# Altium PCB PCB2.PcbDoc (part 3 of 3) (continued)
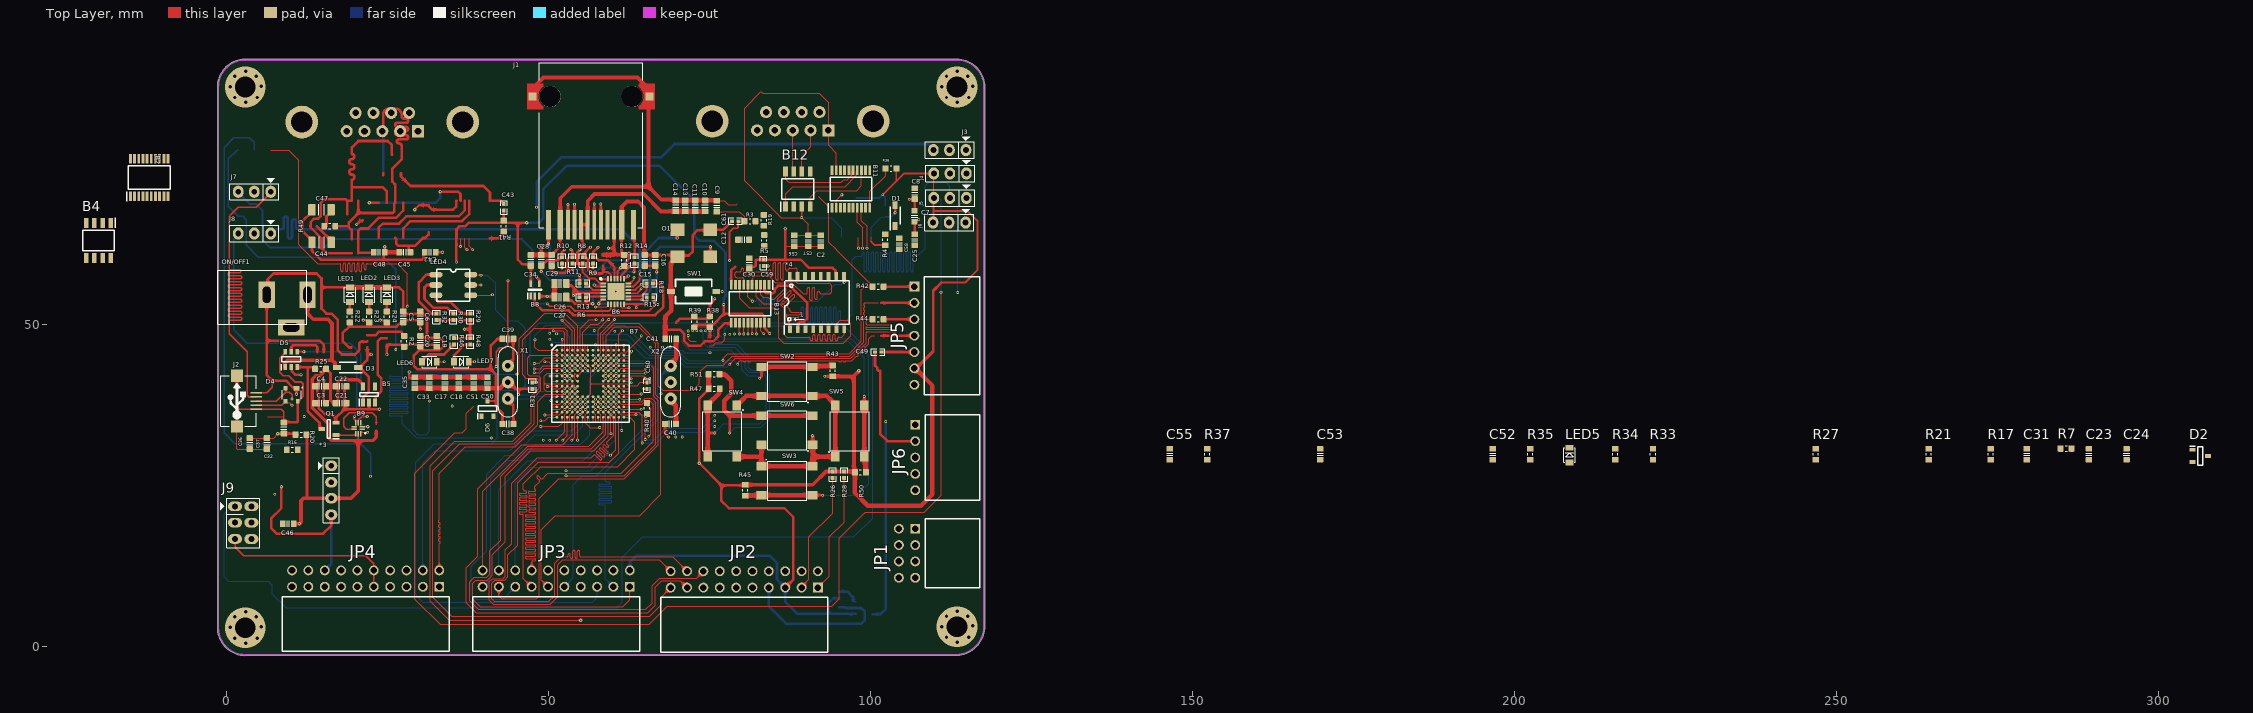
[diagram p0: Top Layer view]
## Nets (pads, with @x,y where several pads share a name; then routed paths per layer and width w, separated by ;. In a path a pad name is that pad's centre, name@x,y a point inside that pad or via, vN(x,y) a via of type N, cw(c..) or ccw(c..) an arc to the next point about the centre after c; other vN are vias at no path point) (continued)
copper on no net: | length 2234
  Top Layer w0.12: 6.94,77.171 9.734,77.171 11.322,75.584 11.322,62.421 14.225,59.518 17.227,59.518 17.647,59.518 cw(c17.647,59.338) 17.827,59.338 17.827,58.48 ccw(c18.007,58.48) 18.187,58.48 18.187,59.421 cw(c18.367,59.421) 18.547,59.421 18.547,58.48 ccw(c18.727,58.48) 18.907,58.48 18.907,59.421 cw(c19.087,59.421) 19.267,59.421 19.267,58.48 ccw(c19.447,58.48) 19.627,58.48 19.627,59.421 cw(c19.807,59.421) 19.987,59.421 19.987,58.48 ccw(c20.167,58.48) 20.347,58.48 20.347,59.421 cw(c20.527,59.421) 20.707,59.421 20.707,58.48 ccw(c20.887,58.48) 21.067,58.48 21.067,59.421 cw(c21.247,59.421) 21.427,59.421 21.427,58.778 ccw(c21.607,58.778) 21.787,58.778 21.787,59.338 cw(c21.967,59.338) 21.967,59.518 24.593,59.518 26.625,59.518 28.149,57.994 v1(28.149,52.914) ; v1(36.404,62.185) 36.404,63.412 36.43,63.438 ; 37.08,63.438 37.072,63.43 37.072,62.025 v1(37.42,61.677) ; 37.73,63.438 37.73,62.256 v1(38.309,61.677) ; 37.994,54.616 38.032,54.654 41.319,54.654 v1(41.357,54.692) ; 37.994,56.216 v1(39.579,56.216) ; 37.994,57.816 38.032,57.778 39.541,57.778 v1(39.579,57.74) ; 39.833,11.893 39.833,24.212 46.818,31.197 56.343,31.197 58.578,33.432 58.578,35.681 ; v1(47.874,43.172) 48.76,43.172 49.231,43.643 51.34,43.643 51.378,43.681 ; v1(47.961,47.707) 47.961,46.564 48.469,46.056 51.353,46.056 51.378,46.081 ; v1(48.85,35.134) 49.453,35.134 50,35.681 51.378,35.681 ; v1(49.485,44.278) 50.12,44.278 50.317,44.081 51.778,44.081 52.178,43.681 ; v1(50.449,38.258) 50.459,38.268 50.459,38.648 50.692,38.881 51.378,38.881 ; 50.538,36.481 51.378,36.481 ; 50.538,36.881 51.778,36.881 52.178,37.281 ; 50.538,37.281 51.378,37.281 ; 50.538,37.681 51.778,37.681 52.178,38.081 ; 50.538,40.081 51.778,40.081 52.178,40.481 ; 50.538,41.281 51.378,41.281 ; 50.538,44.481 51.378,44.481 ; 50.538,45.681 51.778,45.681 52.178,45.281 ; 51.37,42.889 51.378,42.881 ; v1(52.578,38.481) 52.978,38.881 ; v1(52.578,40.081) 52.978,40.481 ; v1(52.578,42.481) 52.978,42.081 ; v1(52.578,43.281) 52.978,42.881 ; v1(52.578,44.081) 52.978,43.681 ; v1(52.578,44.881) 52.978,44.481 ; v1(52.797,26.576) 52.846,26.625 61.804,26.625 66.697,31.518 66.697,37.988 66.029,38.656 65.114,38.656 64.539,38.081 61.778,38.081 ; 53.378,34.841 53.378,36.081 53.778,36.481 ; v1(53.378,37.681) 53.778,38.081 ; v1(53.378,40.081) 53.778,40.481 ; v1(53.378,42.481) 53.778,42.081 ; v1(53.378,43.281) 53.778,42.881 ; v1(53.378,44.081) 53.778,43.681 ; 53.378,46.921 53.378,45.681 53.778,45.281 ; v1(54.178,44.881) 54.578,44.481 ; v1(54.978,38.481) 55.378,38.881 ; v1(54.978,44.881) 55.378,44.481 ; 55.378,34.841 55.378,35.681 ; v1(55.778,37.681) 56.178,38.081 ; 55.778,43.281 56.178,42.881 ; v1(55.778,44.881) 56.178,44.481 ; 55.778,46.921 55.778,45.681 56.178,45.281 ; 56.178,34.841 56.178,35.681 ; 56.178,46.081 56.178,46.921 ; 56.978,36.481 57.378,36.081 57.378,34.841 ; 56.978,37.281 v1(57.378,36.881) ; 56.978,38.081 v1(57.378,37.681) ; 57.778,36.481 58.178,36.081 58.178,34.841 ; 57.778,38.881 v1(58.178,38.481) ; 57.778,42.881 v1(58.178,43.281) ; 57.778,44.481 v1(58.178,44.881) ; 58.578,37.281 v1(58.978,36.881) ; 58.578,38.081 v1(58.978,37.681) ; 58.578,38.881 v1(58.978,38.481) ; 58.578,39.681 v1(58.978,39.281) ; 58.578,40.481 v1(58.978,40.081) ; 58.578,42.081 v1(58.978,42.481) ; 58.578,43.681 v1(58.978,44.081) ; 59.378,39.681 v1(59.778,39.281) ; 59.378,42.081 v1(59.778,42.481) ; 59.378,44.481 v1(59.778,44.881) ; 59.378,45.281 59.778,45.681 59.778,46.921 ; 59.378,46.081 59.378,46.921 ; v1(59.69,29.775) 60.543,30.628 60.543,36.116 60.178,36.481 ; 60.178,37.281 v1(60.578,36.881) ; 60.178,38.881 v1(60.578,38.481) ; 60.178,40.481 v1(60.578,40.081) ; 60.178,42.081 v1(60.578,42.481) ; 60.178,42.881 v1(60.578,43.281) ; 60.178,44.481 v1(60.578,44.881) ; 60.178,45.281 60.568,45.671 v1(60.568,46.921) ; 60.978,36.481 61.37,36.089 v1(63.646,36.089) ; 60.978,39.681 61.378,39.281 64.467,39.281 v1(64.468,39.282) ; 60.978,40.481 61.378,40.081 62.618,40.081 ; 60.978,42.881 61.378,43.281 62.618,43.281 ; 60.978,44.481 61.378,44.881 62.618,44.881 ; 60.978,46.081 60.978,48.532 v1(61.542,49.096) ; 61.778,36.481 64.057,36.481 64.606,35.933 v1(64.606,31.686) ; 61.778,37.281 62.618,37.281 ; 61.778,38.881 62.618,38.881 ; 61.778,39.681 62.618,39.681 ; 61.778,43.681 62.618,43.681 ; 61.778,44.481 62.618,44.481 ; v1(65.106,32.213) 65.106,35.593 65.173,35.659 65.173,36.352 65.36,36.539 ; 65.36,37.539 65.935,36.964 65.935,33.042 v1(65.614,32.721) ; v1(71.747,48.369) 71.747,47.797 72.091,47.453 72.996,47.453 ; 74.996,46.803 75.632,46.803 76.068,47.239 76.957,47.239 77.424,47.706 v1(77.424,48.555) ; 76.099,55.2 v1(77.044,55.2) ; v1(77.16,44.484) 77.217,44.541 77.217,44.843 77.922,45.548 96.729,45.548 98.634,47.453 98.634,55.454 99.142,55.962 100.745,55.962 ; v1(78.225,43.913) 78.225,43.935 79.094,44.804 97.001,44.804 99.396,47.199 99.396,48.342 99.396,48.762 cw(c99.576,48.762) 99.576,48.942 103.845,48.942 ccw(c103.845,49.122) 103.845,49.302 99.477,49.302 cw(c99.477,49.482) 99.477,49.662 103.281,49.662 ccw(c103.281,49.842) 103.281,50.022 99.576,50.022 cw(c99.576,50.202) 99.396,50.202 99.396,50.524 99.402,50.591 cw(c99.754,50.524) 99.419,50.651 cw(c99.754,50.524) 99.754,50.882 100.745,50.882 ; 98.197,63.565 98.201,63.561 v1(98.201,61.918)
  Top Layer w0.4: 15.592,65.36 15.592,66.853 16.314,67.575 16.314,67.9 ; 16.592,65.36 16.623,65.33 18.791,65.33 18.821,65.299 18.971,65.299 ; 18.821,67.199 18.821,69.24 18.878,69.297 19.529,69.297 19.529,71.41 ; 18.85,69.269 18.567,69.551 15.322,69.551 14.687,68.916 14.687,66.884 14.306,66.503 13.671,66.503 13.152,65.984 13.152,65.46 13.052,65.36 13.152,65.26 13.152,65.117 14.814,63.455 14.814,61.931 15.576,61.169 19.529,61.169 ; 19.513,63.328 19.513,64.757 18.971,65.299 ; 20.529,69.297 20.529,67.392 ; 21.906,48.403 23.209,48.403 23.783,48.977 27.133,48.977 27.592,48.518 27.592,48.002 27.641,47.953 ; v2(22.249,68.974) 23.704,68.974 ; 22.942,61.296 22.879,61.233 20.593,61.233 20.529,61.169 20.521,61.177 20.521,63.32 20.513,63.328 20.513,64.582 20.91,64.979 22.053,64.979 23.704,66.63 26.371,66.63 27.514,67.773 27.514,68.974 ; 23.138,37.948 23.238,38.048 23.238,38.832 24.085,39.679 24.085,41.738 23.577,42.246 23.577,47.506 24.024,47.953 24.974,47.953 ; 23.704,63.524 23.704,65.106 24.339,65.741 26.879,65.741 28.022,66.884 36.15,66.884 37.08,67.814 37.08,69.314 ; v1(24.386,79.933) 24.386,82.65 cw(c25.331,82.65) 25.331,83.595 26.297,83.595 cw(c26.297,82.632) 27.26,82.632 27.26,82.432 ccw(c27.66,82.432) 27.66,82.032 27.94,82.032 cw(c27.94,81.712) 27.94,81.392 26.58,81.392 ccw(c26.58,81.072) 26.58,80.752 27.94,80.752 cw(c27.94,80.432) 27.94,80.112 26.58,80.112 ccw(c26.58,79.792) 26.58,79.472 27.94,79.472 cw(c27.94,79.152) 27.94,78.832 26.854,78.832 ccw(c26.854,78.512) 26.854,78.192 26.86,78.192 cw(c26.86,77.792) 27.26,77.792 27.26,77.044 27.26,75.711 25.832,74.283 25.832,72.263 26.244,71.851 26.244,68.974 26.094,68.824 26.094,67.626 25.86,67.392 20.529,67.392 ; 24.399,73.252 24.399,73.569 ; 24.974,68.974 24.974,70.694 24.258,71.41 19.529,71.41 ; 25.784,76.409 25.755,76.438 25.755,77.914 25.101,78.568 20.529,78.568 19.529,77.568 19.529,77.362 19.529,76.562 cw(c19.529,76.162) 19.529,75.762 ccw(c19.529,75.362) 19.529,74.962 cw(c19.529,74.562) 19.529,74.162 ccw(c19.529,73.762) 19.529,73.362 cw(c19.529,72.962) 19.529,72.562 19.529,71.762 19.529,71.41 ; 26.244,63.524 26.394,63.374 26.394,62.639 26.761,62.273 28.368,62.273 ; 27.514,63.524 27.514,64.979 28.657,66.122 36.658,66.122 37.73,67.194 37.73,69.314 ; 28.618,61.296 28.368,61.546 28.368,62.273 ; 31.451,64.403 31.451,64.053 30.901,63.503 30.551,63.503 29.321,62.273 28.368,62.273 ; v2(33.229,70.694) 36.026,70.694 36.405,70.315 36.405,69.339 36.43,69.314 ; 69.893,50.374 69.893,50.424 70.143,50.674 70.193,50.674 70.52,51.001 72.726,51.001 75.139,51.001 75.139,53.295 v1(75.901,54.057) ; 100.761,45.802 100.761,43.675 101.13,43.306 101.13,43.081 101.33,42.881 101.555,42.881 101.555,33.102 102.698,31.959 107.016,31.959 ; 18.971,65.299 19.071,65.399 19.071,65.934 20.529,67.392
  GND Layer w0.12: v1(12.145,35.791) 12.145,35.771 12.528,35.388 13.036,34.88 23.196,34.88 24.212,33.864 37.293,33.864 39.833,36.404 39.833,45.421 40.644,46.232 50.931,46.232 51.424,46.725 56.851,46.725 57.012,46.564 57.74,46.564 58.097,46.921 v1(60.568,46.921) ; v1(22.434,26.498) 22.434,15.83 23.958,14.306 41.758,14.306 42.373,13.691 42.373,11.893 ; v1(39.579,56.216) 39.96,56.216 40.849,55.327 40.849,52.025 43.008,49.866 45.04,49.866 46.691,48.215 50.247,48.215 ; v1(41.23,32.467) 42.246,32.467 48.037,38.258 v1(50.449,38.258) ; v1(41.357,54.692) 41.357,52.279 43.389,50.247 45.294,50.247 46.818,48.723 v1(50.247,48.723) ; v1(50.259,47.782) 50.259,48.203 50.247,48.215 ; v1(60.578,36.881) 62.789,36.881 63.455,37.547 63.455,46.437 64.852,47.834 67.733,47.834 68.987,46.58 v1(68.987,46.575) ; v1(61.542,49.096) 61.864,49.418 69.101,49.418 72.502,46.017 72.502,22.277 74.885,19.894 81.743,19.894 84.283,17.354 84.283,11.766 ; v1(64.468,39.282) 64.217,39.533 64.217,45.421 65.356,46.56 v1(65.851,46.56) ; v1(71.747,48.369) 71.747,48.305 73.615,46.437 73.615,36.15 74.631,35.134 v1(75.901,35.134) ; v1(75.899,35.987) 75.9,35.988 v1(75.901,54.057) v1(75.901,54.057) ; v1(75.901,34.245) 76.663,35.007 76.663,53.676 77.044,54.057 v1(77.044,55.2) ; 86.823,11.766 86.823,18.878 83.902,21.799 75.012,21.799 73.063,23.748 73.063,46.285 69.228,50.12 61.169,50.12 60.788,49.739 60.788,48.596 60.407,48.215 50.247,48.215
  PWR Layer w0.12: v1(26.371,46.183) 27.006,45.548 27.006,34.626 30.759,30.873 50.698,30.873 51.898,29.673 51.898,27.006 52.328,26.576 v1(52.797,26.576) ; v1(36.404,62.185) 39.833,62.185 39.96,62.058 40.002,62.016 ccw(c40.13,62.143) 40.257,62.016 41.832,63.59 cw(c41.959,63.463) 42.086,63.59 cw(c41.959,63.463) 42.086,63.336 40.464,61.713 ccw(c40.591,61.586) 40.464,61.459 ccw(c40.591,61.586) 40.718,61.459 42.341,63.081 cw(c42.468,62.954) 42.595,63.081 cw(c42.468,62.954) 42.595,62.827 40.973,61.204 ccw(c41.1,61.077) 40.973,60.95 ccw(c41.1,61.077) 41.228,60.95 42.85,62.572 cw(c42.977,62.445) 43.104,62.572 cw(c42.977,62.445) 43.104,62.317 41.482,60.695 ccw(c41.609,60.568) 41.482,60.441 ccw(c41.609,60.568) 41.737,60.441 43.359,62.063 cw(c43.486,61.936) 43.614,62.063 cw(c43.486,61.936) 43.614,61.808 41.991,60.186 ccw(c42.119,60.059) 41.991,59.931 ccw(c42.119,60.059) 42.246,59.931 43.663,61.348 cw(c43.79,61.221) 43.917,61.348 cw(c43.79,61.221) 43.917,61.094 42.548,59.725 ccw(c42.675,59.597) 42.548,59.47 42.841,59.178 42.898,59.12 42.898,58.856 42.898,58.796 ccw(c43.078,58.796) 43.078,58.616 43.136,58.616 cw(c43.136,58.436) 43.136,58.256 42.723,58.256 ccw(c42.723,58.076) 42.723,57.896 43.136,57.896 cw(c43.136,57.716) 43.136,57.536 42.723,57.536 ccw(c42.723,57.356) 42.723,57.176 43.136,57.176 cw(c43.136,56.996) 43.136,56.816 43.078,56.816 ccw(c43.078,56.636) 42.898,56.636 42.898,56.077 42.898,55.962 42.898,55.902 ccw(c43.078,55.902) 43.078,55.722 46.344,55.722 cw(c46.344,55.542) 46.344,55.362 42.718,55.362 ccw(c42.718,55.182) 42.718,55.002 46.344,55.002 cw(c46.344,54.822) 46.344,54.642 42.718,54.642 ccw(c42.718,54.462) 42.718,54.282 46.344,54.282 cw(c46.344,54.102) 46.344,53.922 42.718,53.922 ccw(c42.718,53.742) 42.718,53.562 46.344,53.562 cw(c46.344,53.382) 46.344,53.202 43.078,53.202 ccw(c43.078,53.022) 42.898,53.022 42.898,52.752 43.498,52.152 43.857,51.793 43.926,51.724 44.097,51.724 ccw(c44.097,51.904) 44.277,51.904 44.277,52.544 cw(c44.457,52.544) 44.637,52.544 44.637,51.793 ccw(c44.817,51.793) 44.997,51.793 44.997,52.544 cw(c45.177,52.544) 45.357,52.544 45.357,51.793 ccw(c45.537,51.793) 45.717,51.793 45.717,52.544 cw(c45.897,52.544) 46.077,52.544 46.077,51.793 ccw(c46.257,51.793) 46.437,51.793 46.437,52.544 cw(c46.617,52.544) 46.797,52.544 46.797,51.904 ccw(c46.977,51.904) 46.977,51.724 47.246,51.724 49.485,49.485 49.485,47.834 49.485,47.774 ccw(c49.665,47.774) 49.665,47.594 49.743,47.594 cw(c49.743,47.414) 49.743,47.234 49.19,47.234 ccw(c49.19,47.054) 49.19,46.874 50.305,46.874 cw(c50.305,46.694) 50.305,46.514 49.19,46.514 ccw(c49.19,46.334) 49.19,46.154 50.305,46.154 cw(c50.305,45.974) 50.305,45.794 49.19,45.794 ccw(c49.19,45.614) 49.19,45.434 50.305,45.434 cw(c50.305,45.254) 50.305,45.074 49.665,45.074 ccw(c49.665,44.894) 49.485,44.894 49.485,44.469 v1(49.485,44.278) ; v1(37.42,61.677) 37.928,61.169 39.556,61.169 41.865,58.86 41.865,52.002 43.112,50.755 44.913,50.755 45.802,49.866 45.802,39.96 48.088,37.674 48.088,32.213 48.977,31.324 51.136,31.324 52.787,29.673 v1(52.787,27.387) ; v1(38.309,61.677) 39.706,61.677 42.246,59.137 42.246,52.467 43.417,51.296 46.819,51.296 48.723,49.392 48.723,44.021 v1(47.874,43.172) 47.855,43.191 47.487,43.191 47.033,42.736 47.033,40.126 52.891,34.268 56.066,34.268 60.661,29.673 60.661,24.008 60.661,23.832 60.942,23.552 ccw(c61.069,23.679) 61.196,23.552 cw(c61.323,23.424) 61.451,23.552 cw(c61.323,23.424) 61.451,23.297 61.108,22.955 ccw(c61.236,22.827) 61.108,22.7 ccw(c61.236,22.827) 61.363,22.7 61.803,23.14 cw(c61.93,23.013) 62.057,23.14 cw(c61.93,23.013) 62.057,22.885 61.607,22.435 ccw(c61.734,22.308) 61.607,22.18 ccw(c61.734,22.308) 61.861,22.18 62.312,22.631 cw(c62.439,22.504) 62.566,22.631 cw(c62.439,22.504) 62.566,22.376 62.116,21.926 ccw(c62.243,21.799) 62.116,21.671 ccw(c62.243,21.799) 62.371,21.671 62.821,22.122 cw(c62.948,21.995) 63.076,22.122 cw(c62.948,21.995) 63.076,21.867 62.625,21.417 ccw(c62.752,21.29) 62.625,21.162 ccw(c62.752,21.29) 62.88,21.162 62.978,21.26 cw(c63.105,21.133) 63.232,21.26 63.275,21.218 65.868,18.624 90.059,18.624 91.903,16.78 91.903,11.766 ; v1(52.578,44.081) 52.127,44.532 52.127,46.666 52.387,46.926 52.43,46.969 ccw(c52.302,47.096) 52.43,47.223 52.408,47.245 cw(c52.535,47.372) 52.408,47.5 cw(c52.535,47.372) 52.662,47.5 53.391,46.771 ccw(c53.519,46.898) 53.646,46.771 ccw(c53.519,46.898) 53.646,47.025 52.486,48.185 cw(c52.614,48.312) 52.486,48.44 cw(c52.614,48.312) 52.741,48.44 53.901,47.28 ccw(c54.028,47.407) 54.155,47.28 ccw(c54.028,47.407) 54.155,47.534 52.995,48.694 cw(c53.123,48.821) 52.995,48.949 cw(c53.123,48.821) 53.25,48.949 54.41,47.789 ccw(c54.537,47.916) 54.664,47.789 ccw(c54.537,47.916) 54.664,48.044 53.505,49.203 cw(c53.632,49.33) 53.505,49.458 ; 53.505,49.458 cw(c53.632,49.33) 53.759,49.458 54.919,48.298 ccw(c55.046,48.425) 55.173,48.298 ccw(c55.046,48.425) 55.173,48.553 54.014,49.712 cw(c54.141,49.84) 54.014,49.967 cw(c54.141,49.84) 54.268,49.967 55.269,48.966 ccw(c55.396,49.094) 55.523,48.966 ccw(c55.396,49.094) 55.523,49.221 55.23,49.514 cw(c55.357,49.642) 55.23,49.769 55.708,50.247 55.835,50.374 61.042,50.374 61.102,50.374 ccw(c61.102,50.554) 61.282,50.554 61.282,50.918 cw(c61.462,50.918) 61.642,50.918 61.642,50.329 ccw(c61.822,50.329) 62.002,50.329 62.002,50.918 cw(c62.182,50.918) 62.362,50.918 62.362,50.329 ccw(c62.542,50.329) 62.722,50.329 62.722,50.918 cw(c62.902,50.918) 63.082,50.918 63.082,50.329 ccw(c63.262,50.329) 63.442,50.329 63.442,50.918 cw(c63.622,50.918) 63.802,50.918 63.802,50.329 ccw(c63.982,50.329) 64.162,50.329 64.162,50.918 cw(c64.342,50.918) 64.522,50.918 64.522,50.329 ccw(c64.702,50.329) 64.882,50.329 64.882,50.918 cw(c65.062,50.918) 65.242,50.918 65.242,50.329 ccw(c65.422,50.329) 65.602,50.329 65.602,50.918 cw(c65.782,50.918) 65.962,50.918 65.962,50.329 ccw(c66.142,50.329) 66.322,50.329 66.322,50.918 cw(c66.502,50.918) 66.682,50.918 66.682,50.554 ccw(c66.862,50.554) 66.862,50.374 67.392,50.374 69.551,50.374 69.611,50.374 ccw(c69.611,50.554) 69.791,50.554 69.791,50.931 cw(c69.971,50.931) 70.151,50.931 70.151,50.343 ccw(c70.331,50.343) 70.511,50.343 70.511,50.931 cw(c70.691,50.931) 70.871,50.931 70.871,50.343 ccw(c71.051,50.343) 71.231,50.343 71.231,50.931 cw(c71.411,50.931) 71.591,50.931 71.591,50.343 ccw(c71.771,50.343) 71.951,50.343 71.951,50.931 cw(c72.131,50.931) 72.311,50.931 72.311,50.343 ccw(c72.491,50.343) 72.671,50.343 72.671,50.931 cw(c72.851,50.931) 73.031,50.931 73.031,50.343 ccw(c73.211,50.343) 73.391,50.343 73.391,50.931 cw(c73.571,50.931) 73.751,50.931 73.751,50.343 ccw(c73.931,50.343) 74.111,50.343 74.111,50.931 cw(c74.291,50.931) 74.471,50.931 74.471,50.343 ccw(c74.651,50.343) 74.831,50.343 74.831,50.931 cw(c75.011,50.931) 75.191,50.931 75.191,50.554 ccw(c75.371,50.554) 75.371,50.374 76.155,50.374 93.791,50.374 98.201,54.784 98.201,54.992 98.201,55.052 ccw(c98.021,55.052) 98.021,55.232 97.827,55.232 cw(c97.827,55.412) 97.827,55.592 98.364,55.592 ccw(c98.364,55.772) 98.364,55.952 97.827,55.952 cw(c97.827,56.132) 97.827,56.312 98.364,56.312 ccw(c98.364,56.492) 98.364,56.672 97.827,56.672 cw(c97.827,56.852) 97.827,57.032 98.364,57.032 ccw(c98.364,57.212) 98.364,57.392 97.827,57.392 cw(c97.827,57.572) 97.827,57.752 98.364,57.752 ccw(c98.364,57.932) 98.364,58.112 97.827,58.112 cw(c97.827,58.292) 97.827,58.472 98.364,58.472 ccw(c98.364,58.652) 98.364,58.832 97.827,58.832 cw(c97.827,59.012) 97.827,59.192 98.364,59.192 ccw(c98.364,59.372) 98.364,59.552 97.827,59.552 cw(c97.827,59.732) 97.827,59.912 98.364,59.912 ccw(c98.364,60.092) 98.364,60.272 97.827,60.272 cw(c97.827,60.452) 97.827,60.632 98.021,60.632 ccw(c98.021,60.812) 98.201,60.812 98.201,61.402 v1(98.201,61.918) ; v1(59.69,29.775) 59.69,23.601 66.827,16.465 88.021,16.465 89.363,15.123 89.363,11.766 ; v1(65.614,32.721) 66.122,33.229 74.885,33.229 v1(75.901,34.245)
  Bottom Layer w0.12: 1.098,21.799 0.844,21.799 -0.299,20.656 -0.299,10.877 0.336,10.242 6.559,10.242 7.194,9.607 7.194,8.21 9.329,6.075 60.685,6.075 61.55,6.94 61.55,13.925 64.725,17.1 97.491,17.1 100.412,20.021 100.412,45.373 95.919,49.866 77.933,49.866 77.424,49.357 v1(77.424,48.555) ; v1(28.149,52.914) 27.387,52.152 27.387,42.55 27.387,42.21 cw(c27.207,42.21) 27.207,42.03 25.538,42.03 ccw(c25.538,41.85) 25.538,41.67 28.08,41.67 cw(c28.08,41.49) 28.08,41.31 25.538,41.31 ccw(c25.538,41.13) 25.538,40.95 28.08,40.95 cw(c28.08,40.77) 28.08,40.59 25.538,40.59 ccw(c25.538,40.41) 25.538,40.23 28.08,40.23 cw(c28.08,40.05) 28.08,39.87 25.538,39.87 ccw(c25.538,39.69) 25.538,39.51 28.08,39.51 cw(c28.08,39.33) 28.08,39.15 25.538,39.15 ccw(c25.538,38.97) 25.538,38.79 28.08,38.79 cw(c28.08,38.61) 28.08,38.43 25.538,38.43 ccw(c25.538,38.25) 25.538,38.07 28.08,38.07 cw(c28.08,37.89) 28.08,37.71 25.538,37.71 ccw(c25.538,37.53) 25.538,37.35 28.08,37.35 cw(c28.08,37.17) 28.08,36.99 25.538,36.99 ccw(c25.538,36.81) 25.538,36.63 28.08,36.63 cw(c28.08,36.45) 28.08,36.27 25.538,36.27 ccw(c25.538,36.09) 25.538,35.91 27.207,35.91 cw(c27.207,35.73) 27.387,35.73 27.387,35.67 27.387,34.626 29.546,32.467 v1(41.23,32.467) ; v1(39.579,57.74) 40.595,57.74 41.865,56.47 41.865,52.279 43.516,50.628 45.294,50.628 46.437,49.485 46.437,40.595 ; 42.373,11.893 42.373,24.416 46.868,28.911 55.454,28.911 58.756,32.213 58.756,36.57 58.978,36.792 v1(58.978,36.881) ; 44.913,11.893 44.913,25.482 47.326,27.895 56.089,27.895 60.407,32.213 60.407,36.621 60.578,36.792 v1(60.578,36.881) ; v1(47.961,47.707) 47.961,48.342 49.612,49.993 61.804,49.993 66.116,45.681 70.561,45.681 71.759,44.484 v1(77.16,44.484) ; v1(50.247,48.723) 50.247,49.196 50.663,49.612 61.027,49.612 v1(61.542,49.096) ; v1(50.259,47.782) 50.715,47.326 52.152,47.326 52.578,46.9 v1(52.578,44.881) ; v1(52.578,43.281) 49.123,43.281 48.723,42.881 48.723,40.941 48.377,40.595 46.437,40.595 ; v1(52.787,27.387) 56.597,27.387 58.985,29.775 v1(59.69,29.775) ; 55.778,43.281 55.408,43.651 50.509,43.651 50.501,43.643 47.58,43.643 47.199,44.024 47.199,48.977 48.596,50.374 89.08,50.374 89.14,50.374 ccw(c89.14,50.554) 89.32,50.554 89.32,52.568 cw(c89.5,52.568) 89.68,52.568 89.68,50.508 ccw(c89.86,50.508) 90.04,50.508 90.04,52.568 cw(c90.22,52.568) 90.4,52.568 90.4,50.508 ccw(c90.58,50.508) 90.76,50.508 90.76,52.568 cw(c90.94,52.568) 91.12,52.568 91.12,50.508 ccw(c91.3,50.508) 91.48,50.508 91.48,52.568 cw(c91.66,52.568) 91.84,52.568 91.84,50.508 ccw(c92.02,50.508) 92.2,50.508 92.2,52.568 cw(c92.38,52.568) 92.56,52.568 92.56,50.508 ccw(c92.74,50.508) 92.92,50.508 92.92,52.568 cw(c93.1,52.568) 93.28,52.568 93.28,50.508 ccw(c93.46,50.508) 93.64,50.508 93.64,52.568 cw(c93.82,52.568) 94,52.568 94,50.508 ccw(c94.18,50.508) 94.36,50.508 94.36,52.568 cw(c94.54,52.568) 94.72,52.568 94.72,50.508 ccw(c94.9,50.508) 95.08,50.508 95.08,51.964 cw(c95.26,51.964) 95.44,51.964 95.44,50.554 ccw(c95.62,50.554) 95.62,50.374 95.967,50.374 97.181,51.588 97.237,51.644 97.237,60.153 97.745,60.661 98.507,60.661 98.567,60.661 ccw(c98.567,60.841) 98.747,60.841 98.747,61.151 cw(c98.927,61.151) 99.107,61.151 99.107,58.431 ccw(c99.287,58.431) 99.467,58.431 99.467,61.151 cw(c99.647,61.151) 99.827,61.151 99.827,58.431 ccw(c100.007,58.431) 100.187,58.431 100.187,61.151 cw(c100.367,61.151) 100.547,61.151 100.547,58.431 ccw(c100.727,58.431) 100.907,58.431 100.907,61.151 cw(c101.087,61.151) 101.267,61.151 101.267,58.431 ccw(c101.447,58.431) 101.627,58.431 101.627,61.151 cw(c101.807,61.151) 101.987,61.151 101.987,58.431 ccw(c102.167,58.431) 102.347,58.431 102.347,61.151 cw(c102.527,61.151) 102.707,61.151 102.707,58.431 ccw(c102.887,58.431) 103.067,58.431 103.067,61.151 cw(c103.247,61.151) 103.427,61.151 103.427,58.431 ccw(c103.607,58.431) 103.787,58.431 103.787,61.151 cw(c103.967,61.151) 104.147,61.151 104.147,58.431 ccw(c104.327,58.431) 104.507,58.431 104.507,61.151 cw(c104.687,61.151) 104.867,61.151 104.867,58.431 ccw(c105.047,58.431) 105.227,58.431 105.227,61.151 cw(c105.407,61.151) 105.587,61.151 105.587,58.431 ccw(c105.767,58.431) 105.947,58.431 105.947,61.151 cw(c106.127,61.151) 106.307,61.151 106.307,58.431 ccw(c106.487,58.431) 106.667,58.431 106.667,60.481 cw(c106.847,60.481) 106.847,60.661 107.143,60.661 107.27,60.661 108.54,61.931 108.54,71.583 109.093,72.136 ; 57.613,9.353 57.613,7.702 56.851,6.94 30.562,6.94 29.419,8.083 29.419,28.657 32.34,31.578 41.23,31.578 42.119,32.467 42.119,39.198 42.754,39.833 45.675,39.833 46.437,40.595 ; v1(58.178,43.281) 58.608,43.711 58.608,47.178 59.137,47.707 62.185,47.707 64.979,44.913 69.805,44.913 71.219,43.499 77.812,43.499 v1(78.225,43.913) ; v1(63.646,36.089) 64.885,36.089 65.166,35.808 v1(65.166,35.733) ; v1(64.606,31.686) 66.865,31.686 68.535,33.356 74.123,33.356 v1(75.901,35.134) ; v1(65.106,32.213) 66.503,32.213 68.281,33.991 73.904,33.991 v1(75.899,35.987) ; v1(65.851,46.56) 66.354,46.056 70.821,46.056 71.202,45.675 v1(75.139,45.675)
  Bottom Layer w0.22: 1.885,77.171 1.733,77.171 0.336,75.774 0.336,68.408 1.86,66.884 2.622,66.884 3.13,66.376 3.13,62.439 5.035,60.534 24.466,60.534 26.371,58.629 v1(26.371,46.183) ; 4.375,77.171 4.375,78.339 3.638,79.076 1.225,79.076 -0.299,77.552 -0.299,33.229 1.352,31.578 20.91,31.578 22.47,30.018 22.47,26.534 v1(22.434,26.498)
  Bottom Layer w0.4: v2(22.249,68.974) 32.525,68.974 33.229,69.678 v2(33.229,70.694) ; v1(24.386,79.933) 24.386,79.928 24.399,79.914 24.399,73.569
  other v3: 3.03,0.616 113.52,0.743 1.379,1.378 4.808,1.378 111.869,1.505 115.298,1.505 0.617,3.029 5.443,3.156 111.107,3.156 115.933,3.283 1.379,4.68 4.681,4.68 111.869,4.807 115.171,4.807 3.03,5.442 113.52,5.569 3.03,84.563 113.52,84.563 1.379,85.325 4.808,85.325 111.869,85.325 115.298,85.325 0.617,86.976 111.107,86.976 5.443,87.103 115.933,87.103 1.379,88.627 4.681,88.627 111.869,88.627 115.171,88.627 3.03,89.389 113.52,89.389
  other v4: 3.003,3.003 113.493,3.13 3.003,86.95 113.493,86.95

## Keep-outs
Keep-Out Layer:
  lines w0.254: -1.196,3.003 ccw(c3.003,3.003) 3.257,-1.188 113.493,-1.188 ; -1.188,2.876 -1.188,87.585 ; -1.188,86.95 cw(c3.003,86.95) 3.003,91.141 ; 2.876,91.141 113.493,91.141 cw(c113.493,86.95) 117.684,86.95 117.684,7.321 117.684,3.384 cw(c113.239,3.257) 113.493,-1.183

## Silkscreen, mask and mechanical layers (free items; w line width, h text height)
Top Overlay:
  circle w0.254: c87.458,50.882 r0.25
  lines w0.15: 88.474,50.628 88.22,50.882 ; 88.474,51.136 88.22,50.882 ; 89.744,50.882 88.22,50.882
  lines w0.254: 86.696,48.596 86.696,49.866
  text "1" at 89.132,51.286 h0.6